# Allegro board CATALYSTK_260108.brd (continued)
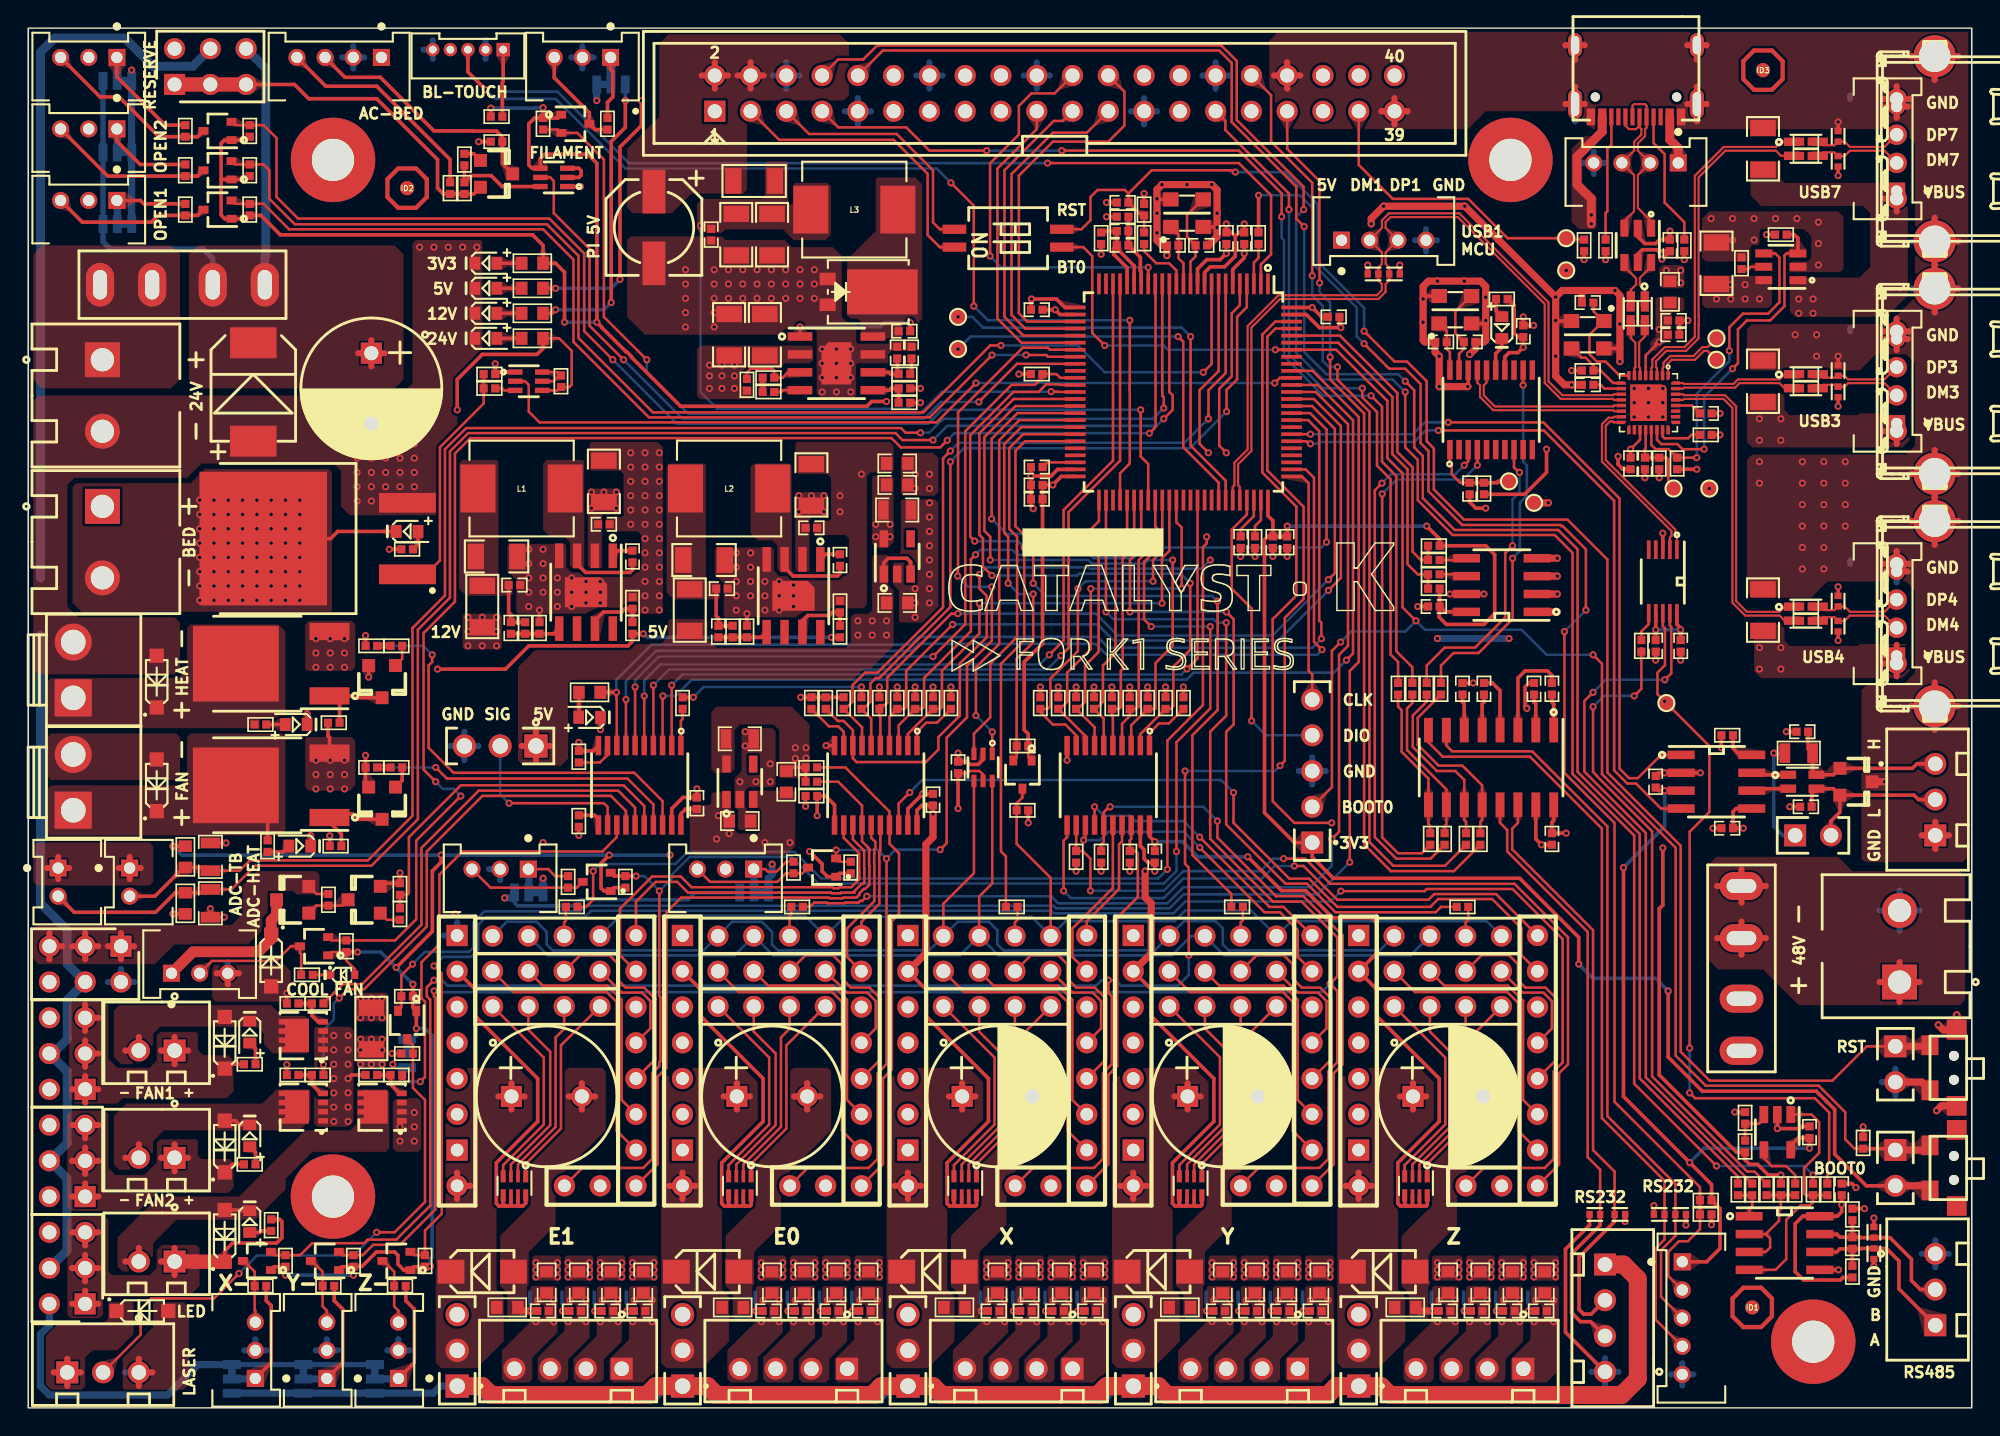
[diagram p0: board, top side]
## Nets (continued)
N932977: D36.2 R158.1
N6649961: C24.1 R16.1

Pads without a net: ID1 1; ID2 1; ID3 1; J10 A8 B8; J33 1 11 12 13 15 16 17 18 26 27 28 31 35 36 38 40; M1 1; M2 1; M3 1; M4 1; MD1 6 17; MD2 6 17; MD3 6 17; MD4 6 17; MD5 6 17; SW3 3 4; U1 6 8; U2 6 8; U3 4; U5 4; U7 53; U12 17 18 24 25 26 27; U17 4 5; U18 2 5 6 7 9 10 11 13

## Via types
v1: diameter 0.508, hole 0.254, TOP to BOTTOM, 1030 vias

## Routing (per net, layer and track width the routed paths; a pad name or vN(x,y) marks a point on that pad's centre or on a via; arc(x,y) is an arc through that point)
3V1: length 3
  TOP w0.178: U19.3 123.24,20.54 122.89,20.19 R163.2 R161.1
3V3_MCU: length 161.5
  TOP w0.178: R21.1 71.01,46.22 Q1.1 ; C46.1 C45.1
  TOP w0.254: U10.8 100.6,56.54 C31.1 ; U7.11 83.02,80.91 83.68,81.56 84.63,81.56 v1(85.07,82) C41.1 ; v1(116.44,29.61) 116.44,24.91 118.87,22.49 126.96,22.49 128.26,21.19 128.26,18.02 130.51,15.77 J6.2 ; U7.100 v1(91.17,78.16) 91.83,77.49 C42.1 ; C31.1 100.19,56.89 100.19,56.16 100.69,55.65 103.36,55.65 104.12,56.41 104.12,60.6 103.49,61.24 R29.1 100.22,61.71 v1(99.3,62.63) ; C31.1 R30.1 ; C40.1 88.02,61.9 87.78,61.66 87.78,42.27 89.9,40.15 J4.1 91.17,39.12 92.67,37.61 105.9,37.61 110.09,33.42 v1(110.09,31.52) ; C40.1 C37.1 v1(89.39,62.63) ; C40.1 88.37,63.01 88.02,63.37 U7.75 ; U7.6 85.52,80.87 86.34,81.68 v1(86.34,82) C39.1 ; C46.1 v1(72.75,65.55) 73.36,66.16 U7.50 ; R48.1 v1(79.23,86.26) ; R21.1 71.01,47.87 70.72,48.16 70.72,52.98 72.02,54.28 C45.1 ; C38.1 v1(72.92,78) 73.26,77.66 U7.27 ; FB3.1 v1(76.18,81.94)
  TOP w0.508: SW3.1 134.7,15.77 J6.2
  ART03 w0.254: v1(79.23,86.26) 79.23,83.46 78.21,82.45 76.06,82.45 ; 90.28,62.51 90.41,62.38
  BOTTOM w0.254: v1(116.44,29.61) 115.55,30.5 111.11,30.5 v1(110.09,31.52) ; v1(99.3,62.63) v1(89.39,62.63)
  vias: v1(62.97,66.32) v1(62.97,65.3) v1(63.99,66.32) v1(63.99,65.3)
5.17V: length 28.8
  TOP w0.254: R13.2 v1(63.36,71.4)
  BOTTOM w0.178: v1(47.73,83.97) 47.73,72.16 48.93,70.97 62.45,70.97 62.88,71.4 v1(63.36,71.4)
+3V3: length 277.5
  TOP w0.178: Q13.1 21.54,32.38 R97.1 22.59,31.77 23.19,31.18 D21.2
  TOP w0.254: v1(116.06,39.77) 116.06,35.71 115.81,35.46 115.81,23.64 121.3,18.15 R161.2 121.9,17.61 122.22,17.29 122.79,17.29 123.55,16.53 v1(124.44,16.53) R112.1 ; R26.1 v1(80.75,51.2) ; Q25.1 37.61,91.62 R136.1 ; R129.1 v1(32.84,92.32) ; R120.1 57.6,37.97 Q18.1 56.76,37.73 56.37,38.12 56.37,38.63 v1(55.48,39.52) ; v1(109.2,40.82) C63.1 108.19,41.59 108.31,41.71 108.31,42.84 ; R132.1 15.49,87.26 Q23.1 13.71,87.26 13.7,87.27 ; v1(27.56,26.95) Q15.1 27.32,28.44 R99.1 v1(27.32,30.09) ; R39.1 v1(65.51,51.2) ; 13.7,87.27 13.7,84.73 13.97,84.46 Q21.1 15.49,84.46 R127.1 16.52,84.7 17.9,83.32 35.81,83.32 36.56,82.57 36.56,81.31 R12.2 37.45,81.3 38.08,80.67 v1(38.08,77.11) ; 13.7,87.27 13.7,89.81 13.94,90.05 Q24.1 15.49,90.05 R134.1 ; R136.1 35.95,91.62 35.54,91.21 35.54,88.29 35.78,88.05 Q8.4 36.37,88.73 36.69,89.05 39.73,89.05 40.38,88.4 v1(40.38,77.11) 40.74,76.75 40.74,76.73 42.46,75 42.51,75 42.83,74.68 42.83,74.63 46.32,71.14 59.55,71.14 59.89,71.49 v1(60.94,71.49) ; R136.1 v1(36.56,92.35) ; R19.1 v1(47.23,50.47) ; v1(29.32,39.27) 29.32,38.76 28.7,38.14 28.7,33.84 v1(26.13,31.28) ; R122.1 v1(10.28,39.89) ; R113.2 128.86,9.26 128.67,9.08 126.05,9.08 125.46,9.67 125.46,13.08 125.99,13.61 U14.8 128.44,13.61 128.76,13.93 v1(128.76,14.44) C68.1 ; U15.5 121.27,42.57 121.04,42.34 C69.1 v1(121.78,41.17) ; Q17.1 17.47,10.03 R118.1 v1(18.27,9.42) ; R117.1 v1(10.28,35.08) ; R31.2 v1(76.94,51.2) ; 23.1,9.93 v1(23.1,9.42) ; 23.1,9.93 R123.1 22.3,10.03 Q19.1 ; 23.1,9.93 23.22,10.06 23.71,10.06 24.72,11.07 26.02,11.07 26.25,10.84 26.25,10.2 26.67,9.79 Q22.1 27.38,10.03 R130.1 28.53,10.03 v1(28.56,10.06) ; R167.1 v1(110.47,81.56) ; R97.1 v1(23.38,32.38) ; R125.1 41.6,36.95 Q20.1 40.89,36.71 40.67,36.93 40.67,38.68 v1(41.26,39.27) ; R44.2 v1(59.16,51.2) ; R41.2 v1(62.97,51.2) ; R36.2 v1(73.13,51.2) ; R25.1 v1(82.02,51.2)
  ART03 w0.254: v1(124.44,16.53) 126.54,14.44 v1(128.76,14.44) ; v1(10.28,39.89) v1(10.28,35.08) ; v1(60.94,71.49) 60.94,67.21 60.05,66.32
  BOTTOM w0.178: v1(47.23,50.47) 47.96,51.2 v1(59.16,51.2)
  BOTTOM w0.254: v1(45.58,39.27) v1(41.26,39.27) v1(29.32,39.27) 10.9,39.27 v1(10.28,39.89) ; v1(28.56,10.06) 28.56,10.56 28.68,10.69 28.68,26.44 28.18,26.95 v1(27.56,26.95) 27.56,26.45 27.29,26.18 JP7.3 N1.2 ; v1(23.38,32.38) 25.03,32.38 v1(26.13,31.28) v1(27.32,30.09) ; v1(38.08,77.11) v1(40.38,77.11) ; v1(18.27,9.42) v1(23.1,9.42) ; v1(36.56,92.35) 36.05,92.35 36.02,92.32 v1(32.84,92.32)
  vias: v1(60.18,62.76) v1(60.18,61.87) v1(61.2,62.76) v1(61.2,61.87) v1(116.31,80.79) v1(117.33,80.79) v1(117.33,79.91)
+12V: length 117.7
  TOP w0.178: Q4.4 37.59,72.27 R72.2 38.43,72.51 38.59,72.67 38.59,75.08 37.7,75.97 R10.2
  TOP w0.254: v1(30.46,70.89) 30.46,73.05 32.24,74.83 36.13,74.83 36.55,75.25 R10.2
  BOTTOM w0.635: J23.4 2.75,11.17 2.75,16.3 J22.4 2.78,18.82 2.78,23.9 J21.4 1.76,25.17 2.78,26.18 2.78,28.98 J28.4 2.78,31.52 2.78,33.93 0.87,35.84 0.87,54.89 ; J20.4 11.69,95.3 8.85,95.3 6.84,97.3 1.89,97.3 0.87,96.29 0.87,58.95
  vias: v1(31.22,56.16) v1(31.22,55.14) v1(31.22,54.12) v1(32.24,56.16) v1(32.24,54.12) v1(33.26,56.16) v1(33.26,55.14) v1(33.26,54.12)
+24V: length 376.1
  TOP w0.254: R71.2 v1(25.64,60.98) ; R9.2 37.19,77.75 v1(37.45,78) ; R74.1 v1(21.41,40.63) ; R73.1 21.29,47.73 21.39,47.62 21.39,46.76 ; v1(43.67,54.98) R1.2 42.91,54.44 42.59,54.12 35.54,54.12 33.89,52.47 v1(29.07,52.47) ; v1(41.4,78.51) 41.4,89.95 42.4,90.95 v1(42.4,92.86) ; R5.2 v1(57.04,54.73)
  TOP w0.432: 24.37,73.98 C2.1 ; C2.1 24.37,75.84 ; C2.1 25.3,74.91 ; C2.1 23.43,74.91
  TOP w1.27: J60.1 32.24,1.54 32.87,0.91 43.92,0.91 44.55,1.54 J57.1 48.24,1.54 48.87,0.91 59.92,0.91 60.56,1.54 J51.1 64.24,1.54 64.88,0.91 75.93,0.91 76.56,1.54 J54.1 80.25,1.54 80.88,0.91 92.25,0.91 92.88,1.54 J63.1 96.06,1.54 96.69,0.91 113.14,0.91 114.28,2.05 114.28,9.17 113.27,10.18 J35.1
  ART03 w0.432: J21.6 1.51,28.64 ; J21.6 2.44,27.71 ; J21.6 1.51,26.77 ; J22.6 2.44,20.09 ; J22.6 1.51,21.02 ; J22.6 1.51,19.15 ; C2.1 24.37,75.84 ; C2.1 23.43,74.91 ; C2.1 24.37,73.98 ; C2.1 25.3,74.91 ; J28.6 1.51,31.18 ; J28.6 1.51,29.32 ; J28.6 2.44,30.25 ; 1.51,11.53 J23.6 ; J23.6 1.51,13.4 ; J23.6 2.44,12.47
  ART03 w1.27: J63.1 92.69,1.54 92.19,1.04 80.56,1.04 80.06,1.54 J54.1 76.69,1.54 76.18,1.04 64.56,1.04 64.06,1.54 J51.1 60.69,1.54 60.18,1.04 48.56,1.04 48.05,1.54 J57.1 44.69,1.54 44.18,1.04 32.56,1.04 32.05,1.54 J60.1
  BOTTOM w0.254: v1(37.45,78) 40.89,78 v1(41.4,78.51) ; JP15.1 v1(42.4,92.86) ; v1(57.04,54.73) 43.95,54.73 43.7,54.98 v1(43.67,54.98) ; JP9.1 47.35,36.6 46.85,36.09 39.23,36.09 38.8,35.66 34.75,35.66 34.53,35.88 34.53,36.22 ; v1(25.89,24.41) 26.14,24.15 JP7.1
  BOTTOM w0.381: F1.2_2 13.1,81.65 12.43,82.32 5.82,82.32 5.32,82.83 JP12.1 JP14.1 JP16.1
  BOTTOM w0.508: JP10.1 34.53,36.22 34.52,36.22 v1(33.83,36.22) ; JP8.1 JP11.1 JP13.1 28.75,1.04 29.26,1.54 J60.1
  BOTTOM w0.635: J20.6 16.87,95.14 16.87,81.84 16.8,81.77 F1.2
  BOTTOM w1.016: J63.1 93.01,1.54 92.29,0.83 80.65,0.83 79.93,1.54 J54.1 77.01,1.54 76.29,0.83 64.65,0.83 63.93,1.54 J51.1 61.01,1.54 60.29,0.83 48.64,0.83 47.92,1.54 J57.1 45,1.54 44.28,0.83 32.64,0.83 31.92,1.54 J60.1
  vias: v1(20.43,54.63) v1(20.43,53.62) v1(20.43,52.6) v1(20.43,46) v1(20.43,44.98) v1(20.43,43.96) v1(21.45,54.63) v1(21.45,53.62) v1(21.45,52.6) v1(21.45,46) v1(21.45,44.98) v1(21.45,43.96) v1(22.46,54.63) v1(22.46,53.62) v1(22.46,52.6) v1(22.46,46) v1(22.46,44.98) v1(22.46,43.96) v1(23.6,29.11) v1(23.6,27.71) v1(24.37,29.11) v1(24.37,27.71) v1(25.13,29.11) v1(25.13,27.71) v1(39.99,65.05) v1(39.99,63.9) v1(40.88,65.05) v1(41.77,65.05) v1(41.77,63.9) v1(48.37,74.06) v1(48.37,73.3) v1(48.37,72.41) v1(49.26,74.06) v1(49.26,73.3) v1(49.26,72.41) v1(50.15,74.06) v1(50.15,73.3) v1(50.15,72.41) v1(54.72,64.79) v1(54.72,63.65) v1(55.61,64.79) v1(56.5,64.79) v1(56.5,63.65)
GND: length 952.2
  TOP w0.254: C69.2 v1(119.62,41.17) ; Y1.2 84.37,83.88 v1(84.41,83.84) ; R94.2 v1(18.37,24.38) ; R28.2 v1(78.21,51.2) ; Q4.1 33.3,73.57 R78.2 v1(33.16,74.16) ; U7.49 73.1,66.66 72.63,66.19 71.23,66.19 v1(71.2,66.22) ; D7.1 v1(40.63,48.17) ; v1(100.95,57.81) v1(103.36,57.81) ; R45.2 R47.2 R49.2 v1(54.85,50.47) ; Y2.4 112.93,75.25 113.01,75.33 ; R33.2 v1(74.4,51.2) ; R27.2 v1(79.48,51.2) ; Q8.1 v1(39.21,86.75) ; U13.15 107.04,40.41 v1(107.45,40) C63.2 ; C53.2 C49.2 v1(117.84,77.24) ; R81.2 v1(23.95,54.86) ; C35.2 v1(86.09,60.47) ; U19.2 v1(124.19,19.83) 125.77,19.83 125.93,19.99 C86.2 ; ED8.2 v1(95.11,81.17) ; C70.2 115.78,45.11 v1(116.19,45.11) U15.2 v1(118.73,45.11) ; Q16.2 25.22,37.26 R102.2 v1(26.4,38) ; C33.2 v1(76.56,85.62) ; v1(22.72,23.39) 22.97,23.64 R95.2 ; v1(13.92,34.85) C74.2 v1(12.94,35.46) ; v1(85.07,84.1) C41.2 85.42,83.49 85.71,83.21 ; Y1.4 80.19,85.83 v1(80.14,85.87) ; v1(23.95,46.35) R82.2 23.95,44.31 Q7.2 ; C67.2 v1(102.6,51.49) ; R155.1 v1(118.47,66.67) ; R15.1 v1(63.36,72.41) ; Y3.4 99.26,78.98 v1(99.04,78.76) ; U7.10 83.53,80.64 83.93,81.05 84.95,81.05 85.71,81.81 85.71,83.21 ; C38.2 71.2,78.73 v1(71.23,78.76) 73.01,78.76 73.61,78.16 U7.26 ; ED6.2 v1(128.51,54.51) ; Y3.2 103.27,77.03 v1(103.49,77.24) ; ED1.2 v1(128.51,91.34) ; R163.1 v1(121.17,21.01) ; v1(106.15,77.49) C85.2 v1(106.89,76.89) ; ED3.2 v1(128.51,74.7) ; v1(103.49,63.9) 102.79,63.9 102.34,64.35 C59.2 ; U9.19 78.97,39.91 79.23,39.65 79.23,39.01 79.51,38.73 C30.2 v1(79.99,38.12) ; D29.2 v1(131.05,13.48) ; C52.2 113.23,66.67 112.89,67.01 v1(112.89,67.59) ; D25.2 v1(113.39,13.24) ; R108.1 v1(130.38,14.15) ; R37.2 v1(71.86,51.2) ; R50.2 v1(87.1,60.47) ; 85.71,83.21 85.99,83.49 C39.2 v1(86.34,84.1) ; U7.99 90.75,77.66 91.68,76.73 v1(93.2,76.73) 93.1,76.83 C42.2 ; R116.2 v1(120.22,46.89) ; R32.2 v1(75.67,51.2) ; ED5.2 v1(128.51,58.32) ; U11.19 62.46,42.56 v1(63.51,43.61) C32.2 ; R64.1 v1(120.12,69.11) ; v1(39.1,47.27) R23.2 40.11,46.66 U8.10 ; D27.2 v1(117.71,12.98) ; v1(106.41,49.68) 106.28,49.81 106.28,51.2 106.57,51.49 C65.2 ; R46.1 v1(55.2,42.73) ; C58.2 v1(115.55,53.11) ; R58.1 v1(112,81.56) ; R93.2 v1(18.37,29.46) ; C51.2 v1(114.79,66.06) ; J35.4 109.15,5.37 109.15,11.28 110.86,12.98 D24.2 ; v1(71.2,66.22) C46.2 C45.2 71.2,64.06 71.36,63.9 v1(71.36,63.87) ; v1(71.2,66.22) C34.2 ; v1(129.78,15.64) 129.49,15.93 C68.2 ; C54.2 v1(120.12,70.63) ; Q6.2 v1(24.18,51.9) ; C31.2 v1(98.66,56.92) ; FB4.1 v1(76.56,84.6) ; ED2.2 v1(128.51,87.53) ; Y2.2 108.49,77.2 v1(108.45,77.24) ; D8.2 114.28,83.21 114.79,82.7 115.55,82.7 115.84,82.98 C48.2 v1(116.57,83.59) ; v1(47.48,43.96) C28.2 46.49,43.36 45.69,42.56 U8.19 ; U17.3 v1(116.06,62.13) ; v1(102.22,72.54) 102.24,72.57 U18.18 ; C73.2 v1(125.08,42.69) ; U9.10 v1(73.76,46) ; R24.1 v1(70.34,73.43) ; U14.5 v1(128.54,9.8) ; R18.1 v1(52.15,72.67) R17.1 ; C75.2 v1(14.05,40.12) ; R8.1 v1(51.04,56.41) ; D26.2 v1(115.43,14.37) ; R51.2 v1(130.28,19.96) ; ED4.2 v1(128.51,71.14) ; R22.1 v1(39.1,40.66) ; U11.10 v1(56.65,47.04) ; C56.2 v1(117.33,53.11) ; R42.2 v1(61.7,51.2) ; D28.2 v1(131.05,10.06) ; U6.2 67.8,46.05 67.45,45.7 66.85,45.7 66.66,45.88 66.66,45.9 C29.2 v1(66.02,46.5) ; C40.2 v1(88.37,60.47) ; R86.2 v1(31.99,89.94) ; R40.2 v1(64.24,51.2) ; C37.2 v1(89.39,60.47) ; D13.1 v1(19.81,49.29) ; R4.1 v1(36.3,56.66) ; C71.2 v1(124.82,48.03) ; R56.1 v1(117.58,81.56) ; R43.2 v1(60.43,51.2) ; R160.1 v1(119.52,13.01) ; ED7.2 v1(97.39,81.17) ; R70.1 v1(109.58,73.68) ; D14.1 v1(20.06,40.65)
  TOP w0.432: J38.1 136.37,40.66 ; J38.1 134.45,40.66 ; J38.1 135.41,41.62 ; J38.1 135.41,39.7 ; J33.34 90.32,94.64 ; J33.34 89.39,93.71 ; J33.34 89.39,95.57 ; J33.34 88.46,94.64 ; J11.4 133.45,75.92 ; J11.4 132.66,75.14 ; J11.4 131.88,75.92 ; J11.4 J12.4 ; 109.15,92.61 J10.G2 ; J10.G2 110.51,92.61 ; J10.G2 109.83,93.84 ; C76.2 71.32,23.05 ; C76.2 72.25,22.12 ; C76.2 70.38,22.12 ; C76.2 71.32,21.19 ; J9.5 137.05,82.86 ; J9.5 135.36,81.18 ; J9.5 135.36,84.54 ; 118.48,95.76 J10.G3 ; J10.G3 119.16,96.79 ; J10.G3 117.8,96.79 ; J42.1 7.21,39.13 ; J42.1 6.42,38.34 ; J42.1 7.21,37.56 ; J42.1 7.99,38.34 ; 133.45,59.41 J13.4 131.88,59.41 ; J29.3 14.96,30.87 ; J29.3 14.17,30.08 ; J29.3 13.39,30.87 ; 96.08,92.1 J33.39 ; J33.39 97.01,93.03 ; J33.39 97.94,92.1 ; J33.39 97.01,91.17 ; J39.1 2.91,38.34 ; J39.1 2.13,37.56 ; J39.1 1.34,38.34 ; J39.1 2.13,39.13 ; 109.83,95.76 J10.G4 ; J10.G4 110.51,96.79 ; J10.G4 109.15,96.79 ; 117.8,92.61 J10.G1 ; J10.G1 118.48,93.84 ; J10.G1 119.16,92.61 ; J10.G1 118.48,91.38 ; J9.6 137.05,96 ; J9.6 133.68,96 ; J9.6 135.36,94.32 ; 135.36,48.16 J14.5 ; J14.5 133.68,49.84 ; J14.5 137.05,49.84 ; J14.5 135.36,51.52 ; 55.31,21.19 C78.2 ; C78.2 54.38,22.12 ; C78.2 55.31,23.05 ; C78.2 56.25,22.12 ; C2.2 25.3,69.91 ; C2.2 24.37,68.98 ; C2.2 24.37,70.85 ; C2.2 23.43,69.91 ; C80.2 103.32,23.05 ; C80.2 102.39,22.12 ; C80.2 104.25,22.12 ; C80.2 103.32,21.19 ; J7.4 133.45,92.43 ; J7.4 131.88,92.43 ; J7.4 J9.4 ; J7.4 132.66,91.65 ; J12.5 137.05,66.35 ; J12.5 135.36,68.03 ; J12.5 135.36,64.67 ; J12.5 133.68,66.35 ; J9.4 133.57,92.97 ; J9.4 132.66,93.88 ; J9.4 131.76,92.97 ; J14.6 135.36,64.66 ; J14.6 133.68,62.98 ; J14.6 135.36,61.3 ; J14.6 137.05,62.98 ; J31.3 8.82,2.52 ; J31.3 7.86,3.48 ; J31.3 7.86,1.56 ; 86.39,22.12 C77.2 ; C77.2 87.32,21.19 ; C77.2 87.32,23.05 ; C77.2 88.25,22.12 ; 39.31,21.19 C79.2 ; C79.2 40.24,22.12 ; C79.2 38.38,22.12 ; C79.2 39.31,23.05 ; J12.6 137.05,79.49 ; J12.6 135.36,77.81 ; J12.6 135.36,81.17 ; J14.4 132.66,60.86 ; J14.4 131.76,59.95 ; J14.4 133.57,59.95 ; J12.4 133.57,76.46 ; J12.4 131.76,76.46 ; J12.4 132.66,77.37
  TOP w0.508: v1(113.01,74.32) v1(113.01,76.98) 113.01,79.02 v1(112.66,79.37) 110.32,79.37 ; 110.32,79.37 108.92,79.37 v1(108.45,78.9) ; 110.32,79.37 110.31,79.36 C57.2 ; C92.2 v1(88.25,6.88) ; SW2.3 135.84,21.45 v1(135.49,21.1) ; v1(108.45,78.9) v1(102,85.35) v1(96.24,85.35) 95.36,84.48 v1(95.36,84.1) ; v1(108.45,78.9) v1(108.45,77.24) v1(108.45,74.7) 108.45,73.29 109.08,72.67 v1(109.58,72.67) C55.2 ; D30.3 v1(131.81,44.47) ; R147.2 35.03,6.88 v1(35.67,6.88) C102.2 ; C101.2 v1(37.96,6.88) ; C99.2 v1(42.53,6.88) ; C95.2 v1(58.53,6.88) ; SW2.1 134.44,23.14 J5.2 ; U10.4 v1(108.57,60.35) ; C104.2 v1(104.25,6.88) ; C106.2 v1(99.68,6.88) 98.78,6.88 R150.2 ; U10.3 v1(108.57,59.08) ; C96.2 v1(56.24,6.88) ; C94.2 v1(83.68,6.88) ; U10.1 v1(108.57,56.54) ; C103.2 v1(106.54,6.88) ; C98.2 v1(51.67,6.88) ; C87.2 v1(74.53,6.88) ; C93.2 v1(85.96,6.88) ; v1(136.93,27.92) SW2.4 135.97,26.85 v1(135.62,27.2) ; C91.2 v1(90.53,6.88) ; v1(102.22,72.54) v1(100.19,72.54) 100.19,72.54 v1(100.19,74.7) 99.9,74.98 C50.2 99.17,75.71 99.04,75.84 v1(99.04,77.11) v1(99.04,78.76) 99.04,79.65 99.42,80.03 v1(100.06,80.03) v1(101.96,80.03) 103.11,80.03 103.49,79.65 v1(103.49,78.89) v1(103.49,77.24) 103.49,75.84 103.36,75.71 C60.2 102.76,75.24 v1(102.34,74.83) ; C90.2 v1(67.67,6.88) ; C88.2 v1(72.25,6.88) ; C97.2 v1(53.96,6.88) ; T4.1 v1(107.93,64.28) ; C36.2 83.8,82.57 84.41,83.18 v1(84.41,83.84) v1(84.41,84.86) 84.41,86.51 v1(84.04,86.89) v1(82.28,86.89) v1(80.5,86.89) 80.14,86.54 v1(80.14,85.87) v1(80.14,84.86) v1(80.14,83.46) 80.14,82.93 80.5,82.57 C47.2 v1(80.85,81.84) ; C105.2 v1(101.96,6.88) ; 107.13,57.81 v1(108.57,57.81) ; C100.2 v1(40.24,6.88) ; C89.2 v1(69.96,6.88)
  ART02 w0.432: J39.1 2.13,39.13 ; J39.1 2.13,37.56 ; J39.1 1.34,38.34 ; J39.1 2.91,38.34 ; 29.52,18.31 MD4.15 ; MD4.15 30.45,17.38 ; MD4.15 30.45,19.25 ; J31.3 8.82,2.52 ; J31.3 7.86,1.56 ; J31.3 7.86,3.48 ; J31.3 6.9,2.52 ; J35.4 112.92,2.56 ; J35.4 111.96,1.6 ; J35.4 111.96,3.52 ; J35.4 111,2.56 ; 118.48,95.76 J10.G3 ; J10.G3 117.8,96.79 ; J10.G3 119.16,96.79 ; 30.45,32.62 MD4.9 ; MD4.9 29.52,33.55 ; MD4.9 30.45,34.49 ; MD4.9 31.39,33.55 ; J29.3 14.17,31.65 ; J29.3 14.17,30.08 ; J29.3 13.39,30.87 ; J29.3 14.96,30.87 ; J5.2 133.53,23.14 ; J5.2 131.61,23.14 ; J5.2 132.57,22.18 ; J5.2 132.57,24.1 ; 26.29,3.3 J47.2 ; J47.2 26.29,4.87 ; J47.2 27.07,4.09 ; J47.2 25.5,4.09 ; J11.4 J12.4 ; J11.4 131.88,75.92 ; J11.4 132.66,75.14 ; J11.4 133.45,75.92 ; J12.4 133.57,76.46 ; J12.4 131.76,76.46 ; J12.4 132.66,77.37 ; MD5.9 94.46,34.49 ; MD5.9 93.53,33.55 ; MD5.9 95.4,33.55 ; MD5.9 94.46,32.62 ; J49.2 5.09,95.92 ; J49.2 4.3,96.71 ; J49.2 4.3,95.14 ; J49.2 3.52,95.92 ; 117.44,1.59 J36.5 ; J36.5 118.23,2.37 ; J36.5 116.66,2.37 ; J36.5 117.44,3.16 ; 135.36,81.18 J9.5 ; J9.5 133.68,82.86 ; J9.5 137.05,82.86 ; J9.5 135.36,84.54 ; J10.G2 110.51,92.61 ; J10.G2 109.83,91.38 ; J10.G2 109.15,92.61 ; J10.G2 109.83,93.84 ; J42.1 7.21,39.13 ; J42.1 6.42,38.34 ; J42.1 7.21,37.56 ; J42.1 7.99,38.34 ; J12.5 135.36,68.03 ; J12.5 133.68,66.35 ; J12.5 137.05,66.35 ; J12.5 135.36,64.67 ; J44.2 33.51,39.05 ; J44.2 34.3,38.27 ; J44.2 32.73,38.27 ; J44.2 33.51,37.48 ; 83.38,94.64 J33.30 ; J33.30 85.24,94.64 ; J33.30 84.31,93.71 ; J33.30 84.31,95.57 ; J33.39 97.01,93.03 ; J33.39 96.08,92.1 ; J33.39 97.01,91.17 ; J33.39 97.94,92.1 ; MD1.9 63.39,33.55 ; MD1.9 62.46,34.49 ; MD1.9 61.52,33.55 ; MD1.9 62.46,32.62 ; J33.14 64.92,94.64 ; J33.14 63.99,93.71 ; J33.14 63.06,94.64 ; J33.14 63.99,95.57 ; 131.88,59.41 J13.4 ; J13.4 133.45,59.41 ; J13.4 132.66,58.63 ; J41.2 49.51,39.05 ; J41.2 49.51,37.48 ; J41.2 50.3,38.27 ; J41.2 48.73,38.27 ; J14.6 135.36,64.66 ; J14.6 135.36,61.3 ; J14.6 133.68,62.98 ; J14.6 137.05,62.98 ; 134.45,10.94 J37.3 ; J37.3 135.41,9.98 ; J37.3 136.37,10.94 ; J37.3 135.41,11.9 ; 58.91,91.17 J33.9 ; J33.9 57.98,92.1 ; J33.9 58.91,93.03 ; J33.9 59.84,92.1 ; 129.36,59.41 129.36,59.95 ; 91.17,44.27 J4.3 ; J4.3 92.13,45.23 ; J4.3 90.21,45.23 ; J4.3 91.17,46.19 ; J14.4 132.66,60.86 ; J14.4 133.57,59.95 ; J14.4 131.76,59.95 ; 131.45,35.33 J2.2 ; J2.2 134.29,35.33 ; J2.2 132.87,33.91 ; J2.2 132.87,36.75 ; 135.41,39.7 J38.1 ; J38.1 136.37,40.66 ; J38.1 134.45,40.66 ; J38.1 135.41,41.62 ; 99.25,82.15 J15.4 ; J15.4 100.03,82.94 ; J15.4 99.25,83.72 ; J15.4 98.46,82.94 ; 133.68,96 J9.6 ; J9.6 135.36,94.32 ; J9.6 137.05,96 ; 88.46,94.64 J33.34 ; J33.34 90.32,94.64 ; J33.34 89.39,93.71 ; J33.34 89.39,95.57 ; 4.3,84.98 J45.2 ; J45.2 5.09,85.76 ; J45.2 4.3,86.55 ; J45.2 3.52,85.76 ; C2.2 24.37,70.85 ; C2.2 24.37,68.98 ; C2.2 25.3,69.91 ; C2.2 23.43,69.91 ; 109.83,95.76 J10.G4 ; J10.G4 110.51,96.79 ; J10.G4 109.15,96.79 ; 21.21,3.3 J43.2 ; J43.2 21.99,4.09 ; J43.2 21.21,4.87 ; J43.2 20.42,4.09 ; 45.52,33.55 MD3.9 ; MD3.9 46.46,32.62 ; MD3.9 46.46,34.49 ; MD3.9 47.39,33.55 ; 135.36,77.81 J12.6 ; J12.6 137.05,79.49 ; J12.6 135.36,81.17 ; J12.6 133.68,79.49 ; 15.34,4.09 J40.2 ; J40.2 16.13,4.87 ; J40.2 16.13,3.3 ; J40.2 16.91,4.09 ; 135.36,48.16 J14.5 ; J14.5 133.68,49.84 ; J14.5 137.05,49.84 ; J14.5 135.36,51.52 ; MD2.9 79.4,33.55 ; MD2.9 78.46,32.62 ; MD2.9 77.53,33.55 ; MD2.9 78.46,34.49 ; 29.97,47.01 J30.3 ; J30.3 31.98,47.01 ; J30.3 30.97,46.01 ; J30.3 30.97,48.02 ; 3.52,90.84 J48.2 ; J48.2 4.3,91.63 ; J48.2 4.3,90.06 ; J48.2 5.09,90.84 ; 28.07,96.48 J46.5 ; J46.5 28.72,97.13 ; J46.5 28.72,95.82 ; 132.66,91.65 J7.4 ; J7.4 131.88,92.43 ; J7.4 J9.4 ; J7.4 133.45,92.43 ; 129.36,75.92 129.36,76.46 ; 78.3,92.1 J33.25 ; J33.25 80.16,92.1 ; J33.25 79.23,93.03 ; J33.25 79.23,91.17 ; 39.35,95.14 J50.2 ; J50.2 38.57,95.92 ; J50.2 39.35,96.71 ; J50.2 40.14,95.92 ; J24.2 23.08,96.71 ; J24.2 23.08,95.14 ; J24.2 23.87,95.92 ; J24.2 22.3,95.92 ; 52.9,94.64 J33.6 ; J33.6 53.83,95.57 ; J33.6 53.83,93.71 ; J33.6 54.76,94.64 ; J8.4 111.16,89.21 ; J8.4 111.94,88.43 ; J8.4 111.16,87.65 ; J8.4 110.37,88.43 ; 129.36,93.22 129.36,92.43 ; 32.47,95.82 J46.2 32.47,97.13 ; J9.4 133.57,92.97 ; J9.4 132.66,93.88 ; J9.4 131.76,92.97 ; 117.8,92.61 J10.G1 ; J10.G1 119.16,92.61 ; J10.G1 118.48,91.38 ; J10.G1 118.48,93.84 ; 71.61,93.71 J33.20 ; J33.20 70.68,94.64 ; J33.20 72.54,94.64 ; J33.20 71.61,95.57
  ART02 w0.508: v1(106.54,6.88) 107.04,6.88
  ART03 w0.432: 58.91,91.17 J33.9 ; J33.9 59.84,92.1 ; J33.9 58.91,93.03 ; 63.99,93.71 J33.14 ; J33.14 63.06,94.64 ; J33.14 63.99,95.57 ; J33.14 64.92,94.64 ; C77.2 88.25,22.12 ; C77.2 86.39,22.12 ; C77.2 87.32,21.19 ; C77.2 87.32,23.05 ; 45.52,18.31 MD3.15 ; MD3.15 46.46,19.25 ; MD3.15 47.39,18.31 ; 117.44,1.59 J36.5 ; J36.5 117.44,3.16 ; J36.5 118.23,2.37 ; J33.20 72.54,94.64 ; J33.20 71.61,93.71 ; J33.20 70.68,94.64 ; J33.20 71.61,95.57 ; J14.6 135.36,64.66 ; J14.6 137.05,62.98 ; J14.6 133.68,62.98 ; J14.6 135.36,61.3 ; 103.32,21.19 C80.2 ; C80.2 102.39,22.12 ; C80.2 103.32,23.05 ; C80.2 104.25,22.12 ; J49.2 4.3,96.71 ; J49.2 5.09,95.92 ; J49.2 3.52,95.92 ; J49.2 4.3,95.14 ; 133.68,49.84 J14.5 ; J14.5 135.36,48.16 ; J14.5 137.05,49.84 ; J14.5 135.36,51.52 ; J10.G1 118.48,93.84 ; J10.G1 119.16,92.61 ; J10.G1 118.48,91.38 ; J10.G1 117.8,92.61 ; J14.4 132.66,60.86 ; J14.4 131.76,59.95 ; J14.4 133.57,59.95 ; MD1.9 63.39,33.55 ; MD1.9 62.46,34.49 ; MD1.9 62.46,32.62 ; MD1.9 61.52,33.55 ; 109.83,91.38 J10.G2 ; J10.G2 110.51,92.61 ; J10.G2 109.15,92.61 ; J10.G2 109.83,93.84 ; J38.1 135.41,41.62 ; J38.1 135.41,39.7 ; J38.1 134.45,40.66 ; J38.1 136.37,40.66 ; 132.66,91.65 J7.4 ; J7.4 131.88,92.43 ; J7.4 133.45,92.43 ; J7.4 J9.4 ; MD5.9 94.46,34.49 ; MD5.9 93.53,33.55 ; MD5.9 95.4,33.55 ; MD5.9 94.46,32.62 ; J33.39 97.94,92.1 ; J33.39 96.08,92.1 ; J33.39 97.01,93.03 ; 77.53,33.55 MD2.9 ; MD2.9 78.46,34.49 ; MD2.9 78.46,32.62 ; MD2.9 79.4,33.55 ; 134.45,10.94 J37.3 ; J37.3 135.41,9.98 ; J37.3 136.37,10.94 ; J37.3 135.41,11.9 ; C76.2 72.25,22.12 ; C76.2 70.38,22.12 ; C76.2 71.32,21.19 ; C76.2 71.32,23.05 ; 79.23,91.17 J33.25 ; J33.25 80.16,92.1 ; J33.25 78.3,92.1 ; J33.25 79.23,93.03 ; MD4.15 30.45,19.25 ; MD4.15 31.39,18.31 ; MD4.15 29.52,18.31 ; 131.76,76.46 J12.4 ; J12.4 132.66,77.37 ; J12.4 133.57,76.46 ; J12.4 J11.4 ; J2.2 134.29,35.33 ; J2.2 132.87,36.75 ; J2.2 132.87,33.91 ; J2.2 131.45,35.33 ; J33.30 84.31,95.57 ; J33.30 85.24,94.64 ; J33.30 84.31,93.71 ; J33.30 83.38,94.64 ; J11.4 133.45,75.92 ; J11.4 132.66,75.14 ; J11.4 131.88,75.92 ; J45.2 4.3,86.55 ; J45.2 3.52,85.76 ; J45.2 4.3,84.98 ; J45.2 5.09,85.76 ; MD3.9 46.46,34.49 ; MD3.9 45.52,33.55 ; MD3.9 47.39,33.55 ; MD3.9 46.46,32.62 ; 131.61,23.14 J5.2 ; J5.2 132.57,24.1 ; J5.2 133.53,23.14 ; J5.2 132.57,22.18 ; MD2.15 78.46,19.25 ; MD2.15 79.4,18.31 ; MD2.15 77.53,18.31 ; J8.4 111.94,88.43 ; J8.4 111.16,87.65 ; J8.4 110.37,88.43 ; J8.4 111.16,89.21 ; MD5.15 95.4,18.31 ; MD5.15 94.46,19.25 ; MD5.15 93.53,18.31 ; J30.3 31.98,47.01 ; J30.3 30.97,46.01 ; J30.3 30.97,48.02 ; J9.5 137.05,82.86 ; J9.5 133.68,82.86 ; J9.5 135.36,81.18 ; J9.5 135.36,84.54 ; J9.4 133.57,92.97 ; J9.4 131.76,92.97 ; J9.4 132.66,93.88 ; MD4.9 31.39,33.55 ; MD4.9 30.45,32.62 ; MD4.9 29.52,33.55 ; MD4.9 30.45,34.49 ; 3.52,90.84 J48.2 ; J48.2 4.3,91.63 ; J48.2 4.3,90.06 ; J48.2 5.09,90.84 ; 61.52,18.31 MD1.15 ; MD1.15 62.46,19.25 ; MD1.15 63.39,18.31 ; 54.38,22.12 C78.2 ; C78.2 56.25,22.12 ; C78.2 55.31,23.05 ; C78.2 55.31,21.19 ; 38.38,22.12 C79.2 ; C79.2 39.31,21.19 ; C79.2 40.24,22.12 ; C79.2 39.31,23.05 ; J12.5 135.36,68.03 ; J12.5 135.36,64.67 ; J12.5 137.05,66.35 ; J12.5 133.68,66.35 ; 129.36,59.95 129.36,60.2 ; J33.34 89.39,95.57 ; J33.34 89.39,93.71 ; J33.34 90.32,94.64 ; J33.34 88.46,94.64 ; 109.83,95.76 J10.G4 ; J10.G4 109.15,96.79 ; J10.G4 110.51,96.79 ; 129.36,92.97 129.36,93.22 ; 118.48,95.76 J10.G3 ; J10.G3 117.8,96.79 ; J10.G3 119.16,96.79 ; J13.4 133.45,59.41 ; J13.4 131.88,59.41 ; J13.4 132.66,58.63 ; 133.68,96 J9.6 ; J9.6 137.05,96 ; J9.6 135.36,94.32 ; 133.68,79.49 J12.6 ; J12.6 135.36,81.17 ; J12.6 137.05,79.49 ; J12.6 135.36,77.81 ; 129.36,76.46 129.36,76.71
  BOTTOM w0.254: 74.48,8.23 74.48,7.44 74.53,7.39 v1(74.53,6.88) ; 69.91,8.23 69.91,7.44 69.96,7.39 v1(69.96,6.88) ; 88.2,8.23 88.2,7.44 88.25,7.39 v1(88.25,6.88) ; 104.2,8.23 104.2,7.44 104.25,7.39 v1(104.25,6.88) ; v1(106.54,6.88) 106.54,7.39 106.48,7.44 106.48,8.23 ; v1(58.53,6.88) 58.53,7.39 58.48,7.44 58.48,8.23 ; 90.48,8.23 90.48,7.44 90.53,7.39 v1(90.53,6.88) ; 35.62,8.23 35.62,7.44 35.67,7.39 v1(35.67,6.88) ; v1(101.96,6.88) 101.96,7.39 101.91,7.44 101.91,8.23 ; 72.19,8.23 72.19,7.44 72.25,7.39 v1(72.25,6.88) ; v1(67.67,6.88) 67.67,7.39 67.62,7.44 67.62,8.23 ; 42.48,8.23 42.48,7.44 42.53,7.39 v1(42.53,6.88) ; v1(56.24,6.88) 56.24,7.39 56.19,7.44 56.19,8.23 ; 40.19,8.23 40.19,7.44 40.24,7.39 v1(40.24,6.88) ; v1(51.67,6.88) 51.67,7.39 51.62,7.44 51.62,8.23 ; 37.9,8.23 37.9,7.44 37.96,7.39 v1(37.96,6.88) ; v1(83.68,6.88) 83.68,7.39 83.62,7.44 83.62,8.23 ; 99.63,8.23 99.63,7.44 99.68,7.39 v1(99.68,6.88) ; v1(85.96,6.88) 85.96,7.39 85.91,7.44 85.91,8.23 ; 53.91,8.23 53.91,7.44 53.96,7.39 v1(53.96,6.88)
  BOTTOM w0.432: 135.36,48.16 J14.5 ; J14.5 137.05,49.84 ; J14.5 135.36,51.52 ; J14.5 133.68,49.84 ; 32.73,38.27 J44.2 33.51,37.48 ; J2.2 134.29,35.33 ; J2.2 132.87,33.91 ; J2.2 132.87,36.75 ; J2.2 131.45,35.33 ; 135.41,9.98 J37.3 ; J37.3 134.45,10.94 ; J37.3 136.37,10.94 ; J37.3 135.41,11.9 ; J33.30 84.31,95.57 ; J33.30 83.38,94.64 ; J33.30 85.24,94.64 ; J33.30 84.31,93.71 ; C78.2 55.31,23.05 ; C78.2 54.38,22.12 ; C78.2 55.31,21.19 ; C78.2 56.25,22.12 ; J33.20 71.61,95.57 ; J33.20 70.68,94.64 ; J33.20 72.54,94.64 ; J33.20 71.61,93.71 ; J9.6 137.05,96 ; J9.6 133.68,96 ; J9.6 135.36,94.32 ; J11.4 133.45,75.92 ; J11.4 131.88,75.92 ; J11.4 132.66,75.14 ; J11.4 J12.4 ; J33.9 58.91,93.03 ; J33.9 57.98,92.1 ; J33.9 59.84,92.1 ; J33.9 58.91,91.17 ; J9.5 135.36,84.54 ; J9.5 137.05,82.86 ; J9.5 135.36,81.18 ; J9.5 133.68,82.86 ; J10.G1 119.16,92.61 ; J10.G1 118.48,91.38 ; J10.G1 118.48,93.84 ; J10.G1 117.8,92.61 ; 89.39,93.71 J33.34 ; J33.34 90.32,94.64 ; J33.34 89.39,95.57 ; J33.34 88.46,94.64 ; J14.4 133.57,59.95 ; J14.4 131.76,59.95 ; J14.4 132.66,60.86 ; 23.43,69.91 C2.2 ; C2.2 25.3,69.91 ; C2.2 24.37,68.98 ; J5.2 132.57,24.1 ; J5.2 132.57,22.18 ; J5.2 131.61,23.14 ; J5.2 133.53,23.14 ; J24.2 23.08,96.71 ; J24.2 23.08,95.14 ; J24.2 22.3,95.92 ; J24.2 23.87,95.92 ; J30.3 30.97,48.02 ; J30.3 30.97,46.01 ; J30.3 31.98,47.01 ; J30.3 29.97,47.01 ; J40.2 16.13,4.87 ; J40.2 15.34,4.09 ; J40.2 16.91,4.09 ; 134.45,40.66 J38.1 ; J38.1 135.41,39.7 ; J38.1 136.37,40.66 ; J38.1 135.41,41.62 ; 98.46,82.94 J15.4 ; J15.4 99.25,83.72 ; J15.4 100.03,82.94 ; J15.4 99.25,82.15 ; C77.2 88.25,22.12 ; C77.2 86.39,22.12 ; C77.2 87.32,23.05 ; C77.2 87.32,21.19 ; 97.01,91.17 J33.39 ; J33.39 97.01,93.03 ; J33.39 96.08,92.1 ; J33.39 97.94,92.1 ; 28.07,96.48 J46.5 ; J46.5 28.72,97.13 ; J46.5 28.72,95.82 ; J33.14 64.92,94.64 ; J33.14 63.99,95.57 ; J33.14 63.99,93.71 ; J33.14 63.06,94.64 ; 129.36,59.95 129.36,60.2 ; 14.17,30.08 J29.3 ; J29.3 14.17,31.65 ; J29.3 14.96,30.87 ; J12.6 135.36,81.17 ; J12.6 133.68,79.49 ; J12.6 137.05,79.49 ; J12.6 135.36,77.81 ; J10.G4 110.51,96.79 ; J10.G4 109.15,96.79 ; J10.G4 109.83,95.76 ; J35.4 112.92,2.56 ; J35.4 111.96,1.6 ; J35.4 111.96,3.52 ; J35.4 111,2.56 ; 91.17,44.27 J4.3 ; J4.3 91.17,46.19 ; J4.3 90.21,45.23 ; J4.3 92.13,45.23 ; 39.35,95.14 J50.2 ; J50.2 39.35,96.71 ; J50.2 40.14,95.92 ; J50.2 38.57,95.92 ; C76.2 71.32,23.05 ; C76.2 71.32,21.19 ; C76.2 72.25,22.12 ; C76.2 70.38,22.12 ; 30.45,34.49 MD4.9 29.52,33.55 ; J8.4 111.16,89.21 ; J8.4 111.94,88.43 ; J8.4 111.16,87.65 ; J8.4 110.37,88.43 ; 117.44,1.59 J36.5 ; J36.5 117.44,3.16 ; J36.5 118.23,2.37 ; J36.5 116.66,2.37 ; C79.2 39.31,23.05 ; C79.2 38.38,22.12 ; C79.2 40.24,22.12 ; C79.2 39.31,21.19 ; 78.3,92.1 J33.25 ; J33.25 80.16,92.1 ; J33.25 79.23,93.03 ; J33.25 79.23,91.17 ; J10.G3 119.16,96.79 ; J10.G3 117.8,96.79 ; J10.G3 118.48,95.76 ; C80.2 103.32,23.05 ; C80.2 103.32,21.19 ; C80.2 102.39,22.12 ; C80.2 104.25,22.12 ; J9.4 132.66,93.88 ; J9.4 131.76,92.97 ; J9.4 133.57,92.97 ; J9.4 J7.4 ; 53.83,93.71 J33.6 ; J33.6 52.9,94.64 ; J33.6 54.76,94.64 ; J33.6 53.83,95.57 ; J10.G2 109.83,93.84 ; J10.G2 110.51,92.61 ; J10.G2 109.15,92.61 ; J10.G2 109.83,91.38 ; 32.47,95.82 J46.2 32.47,97.13 ; 6.9,2.52 J31.3 ; J31.3 7.86,3.48 ; J31.3 8.82,2.52 ; J47.2 27.07,4.09 ; J47.2 25.5,4.09 ; J47.2 26.29,4.87 ; 133.68,62.98 J14.6 ; J14.6 135.36,61.3 ; J14.6 137.05,62.98 ; J14.6 135.36,64.66 ; 135.36,64.67 J12.5 ; J12.5 137.05,66.35 ; J12.5 135.36,68.03 ; J12.5 133.68,66.35 ; 129.36,76.46 129.36,76.71 ; 132.66,91.65 J7.4 ; J7.4 133.45,92.43 ; J7.4 131.88,92.43 ; 132.66,58.63 J13.4 ; J13.4 131.88,59.41 ; J13.4 133.45,59.41 ; 129.36,92.97 129.36,93.22 ; 131.76,76.46 J12.4 ; J12.4 132.66,77.37 ; J12.4 133.57,76.46 ; 20.42,4.09 J43.2 ; J43.2 21.21,4.87 ; J43.2 21.99,4.09